# Allegro board S071AA-0413-20260427.brd (continued)
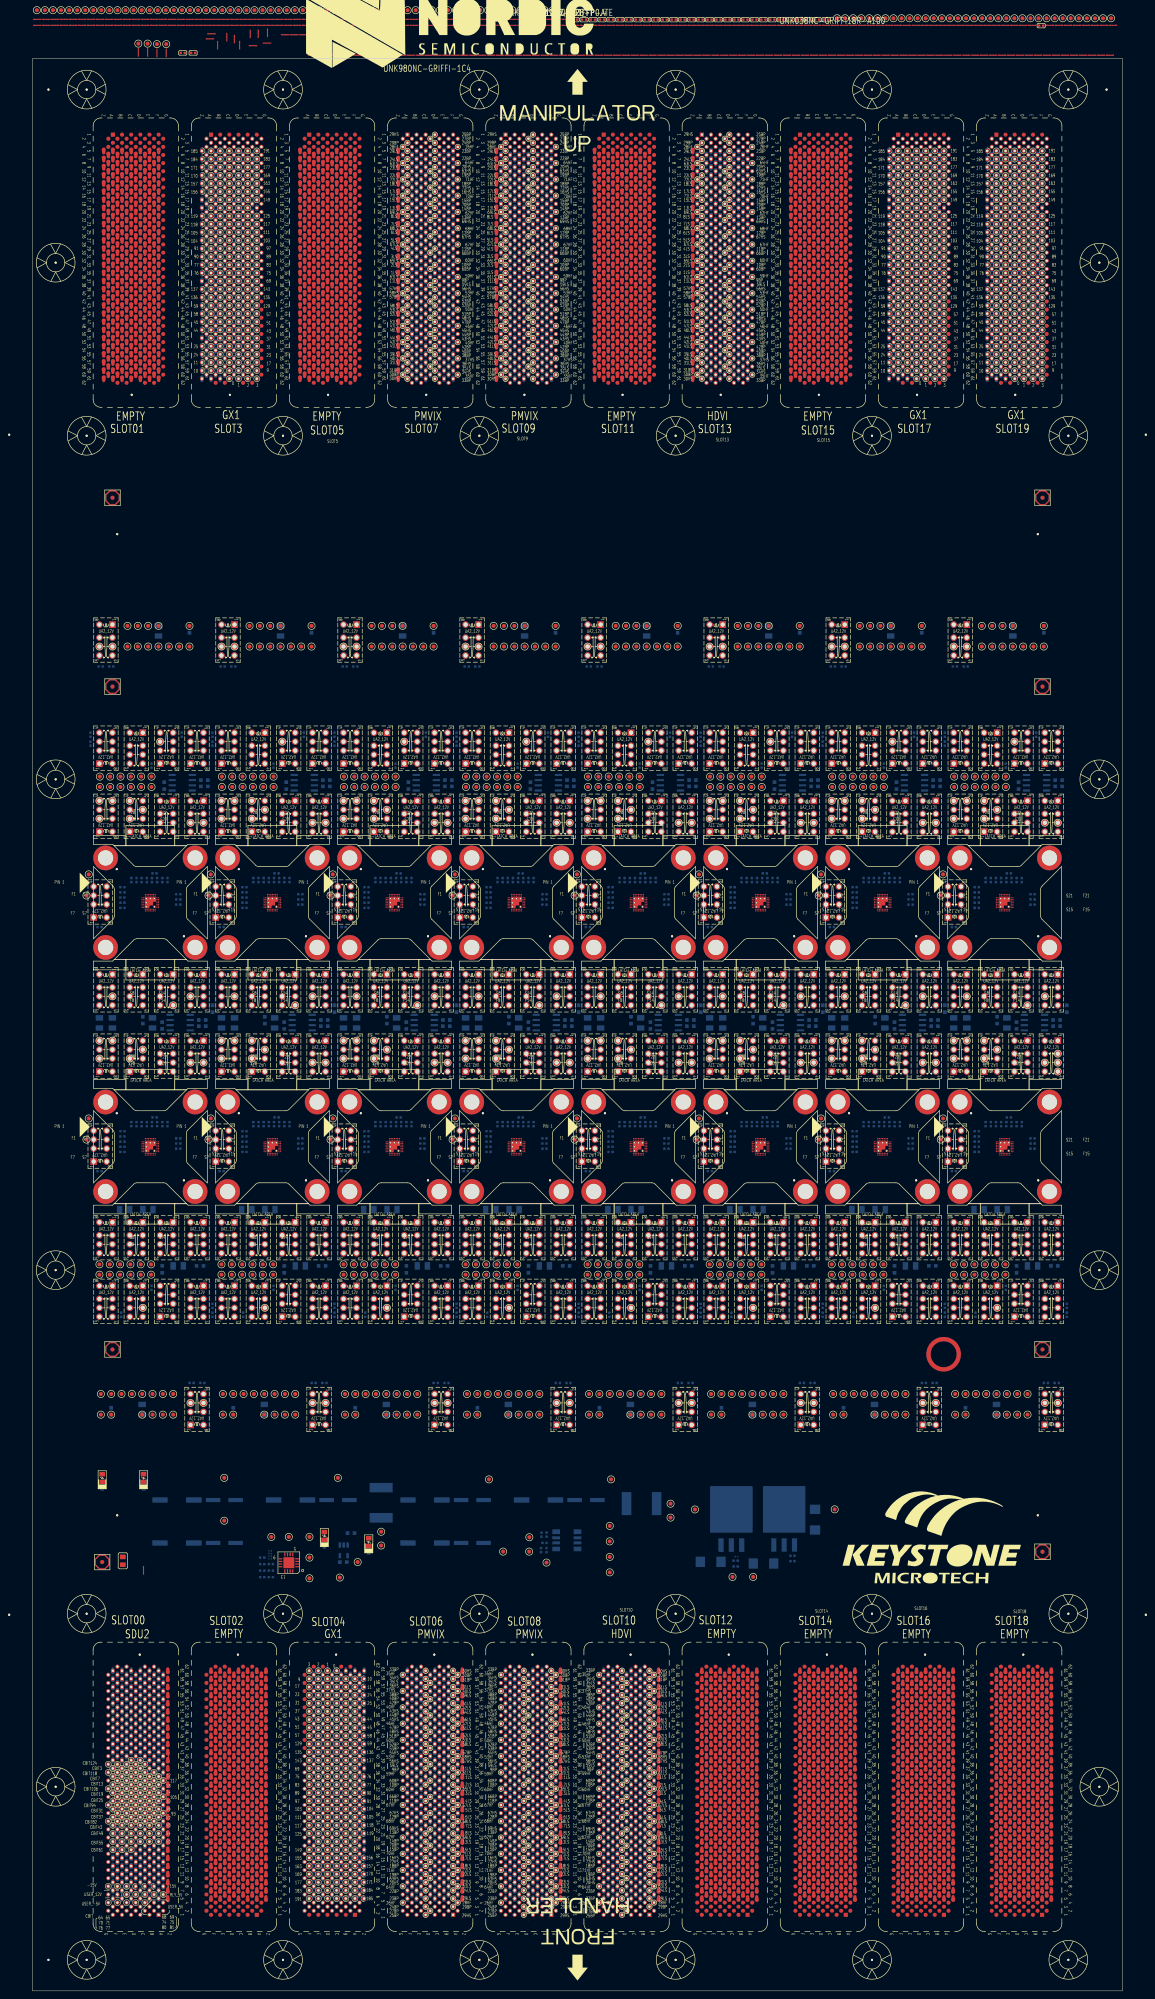
[diagram p0: board, top side]
## Placement (name value [footprint] x y rotation side) (continued)
NOREF#1849  -  []  177.17 105.04 0 top
NOREF#1850  -  []  49.52 17.15 90 top
NOREF#1851  -  []  190.78 112.83 90 top
NOREF#1852  -  []  237.13 165.7 90 top
NOREF#1853  -  []  48.48 310.08 0 top
NOREF#1854  -  []  224.98 281.49 90 top
NOREF#1855  -  []  235.97 164.05 90 top
NOREF#1856  -  []  252.06 244.47 90 top
NOREF#1857  -  []  154.59 289.34 90 top
NOREF#1858  -  []  71.82 117.35 90 top
NOREF#1859  -  []  209.32 268.11 315 top
NOREF#1860  -  []  91.01 206.69 90 top
NOREF#1861  -  []  31.4 249.87 0 top
NOREF#1862  -  []  89.39 209.51 0 top
NOREF#1863  -  []  168.36 179.68 90 top
NOREF#1864  -  []  91.47 115.65 90 top
NOREF#1865  -  []  177.13 242.27 90 top
NOREF#1866  -  []  43.91 396.29 0 top
NOREF#1867  -  []  61.4 307.08 90 top
NOREF#1868  -  []  98.86 144.52 90 top
NOREF#1869  -  []  177.13 170.1 90 top
NOREF#1870  -  []  222.06 183.53 90 top
NOREF#1871  -  []  117.13 244.47 90 top
NOREF#1872  -  []  133.01 240.57 90 top
NOREF#1873  -  []  240.18 205.86 90 top
NOREF#1874  -  []  71.02 174.1 0 top
NOREF#1875  -  []  243.41 189.73 0 top
NOREF#1876  -  []  205.94 250.67 0 top
NOREF#1877  -  []  177.13 244.47 90 top
NOREF#1878  -  []  29.32 268.11 315 top
NOREF#1879  -  []  109.67 185.73 90 top
NOREF#1880  -  []  164.98 283.99 0 top
NOREF#1881  -  []  214.59 183.53 90 top
NOREF#1882  -  []  78.48 174.1 0 top
NOREF#1883  -  []  121.01 266.29 90 top
NOREF#1884  -  []  117.36 268.69 0 top
NOREF#1885  -  []  105.06 263.86 90 top
NOREF#1886  -  []  237.13 185.73 90 top
NOREF#1887  -  []  151.39 304.88 90 top
NOREF#1888  -  []  162.06 230.38 90 top
NOREF#1889  -  []  83.93 188.93 0 top
NOREF#1890  -  []  139.94 300.88 0 top
NOREF#1891  -  []  244.59 230.38 90 top
NOREF#1892  -  []  44.99 253.49 90 top
NOREF#1893  -  []  188.69 456.29 0 top
NOREF#1894  -  []  170.73 215.74 0 top
NOREF#1895  -  []  222.06 167.9 90 top
NOREF#1896  -  []  16.47 304.88 90 top
NOREF#1897  -  []  222.06 165.7 90 top
NOREF#1898  -  []  75.06 209.26 90 top
NOREF#1899  -  []  139.67 167.9 90 top
NOREF#1900  -  []  79.94 164.9 0 top
NOREF#1901  -  []  75.92 300.88 90 top
NOREF#1902  -  []  27.13 306.08 90 top
NOREF#1903  -  []  142.98 286.49 0 top
NOREF#1904  -  []  247.55 203.78 0 top
NOREF#1905  -  []  33.97 14.59 90 top
NOREF#1906  -  []  19.67 165.7 90 top
NOREF#1907  -  []  128.86 139.12 0 top
NOREF#1908  -  []  188.86 173.3 0 top
NOREF#1909  -  []  105.06 267.06 90 top
NOREF#1910  -  []  38.39 253.49 45 top
NOREF#1911  -  []  117.64 208.84 0 top
NOREF#1912  -  []  162.06 287.14 90 top
NOREF#1913  -  []  160.89 283.29 90 top
NOREF#1914  -  []  93.41 234.38 0 top
NOREF#1915  -  []  205.88 237.76 90 top
NOREF#1916  -  []  130.9 239.1 90 top
NOREF#1917  -  []  43.91 456.29 90 top
NOREF#1918  -  []  154.31 14.59 90 top
NOREF#1919  -  []  157.55 203.78 0 top
NOREF#1920  -  []  112.99 286.49 0 top
NOREF#1921  -  []  195.92 225.18 90 top
NOREF#1922  -  []  183.41 174.1 0 top
NOREF#1923  -  []  55.15 18.69 90 top
NOREF#1924  -  []  252.06 183.53 90 top
NOREF#1925  -  []  87.79 269.51 0 top
NOREF#1926  -  []  242.56 17.15 0 top
NOREF#1927  -  []  98.86 233.58 0 top
NOREF#1928  -  []  225.06 263.86 90 top
NOREF#1929  -  []  252.06 284.94 90 top
NOREF#1930  -  []  205.7 258.99 90 top
NOREF#1931  -  []  90.18 205.47 90 top
NOREF#1932  -  []  188.86 142.32 90 top
NOREF#1933  -  []  228.48 250.67 0 top
NOREF#1934  -  []  3.61 203.06 0 top
NOREF#1935  -  []  205.7 198.99 90 top
NOREF#1936  -  []  175.97 179.68 90 top
NOREF#1937  -  []  248.86 292.54 0 top
NOREF#1938  -  []  104.99 283.99 0 top
NOREF#1939  -  []  218.43 17.15 90 top
NOREF#1940  -  []  203.93 188.93 0 top
NOREF#1941  -  []  178.65 206.87 45 top
NOREF#1942  -  []  195.06 207.06 90 top
NOREF#1943  -  []  241.39 168.9 90 top
NOREF#1944  -  []  58.35 207.84 45 top
NOREF#1945  -  []  208.35 207.84 315 top
NOREF#1946  -  []  158.86 139.12 0 top
NOREF#1947  -  []  106.47 173.3 0 top
NOREF#1948  -  []  200.73 215.74 0 top
NOREF#1949  -  []  44.99 221.49 90 top
NOREF#1950  -  []  168.36 240.62 90 top
NOREF#1951  -  []  232.1 458.49 0 top
NOREF#1952  -  []  132.06 228.18 90 top
NOREF#1953  -  []  192.06 228.18 90 top
NOREF#1954  -  []  116.3 456.29 0 top
NOREF#1955  -  []  112.99 226.49 0 top
NOREF#1956  -  []  16.47 249.87 0 top
NOREF#1957  -  []  146.03 119.76 0 top
NOREF#1958  -  []  207.41 300.88 0 top
NOREF#1959  -  []  248.86 307.08 90 top
NOREF#1960  -  []  30 300.03 0 top
NOREF#1961  -  []  113.38 284.14 90 top
NOREF#1962  -  []  60.34 266.14 90 top
NOREF#1963  -  []  93.41 174.1 0 top
NOREF#1964  -  []  142.98 248.49 90 top
NOREF#1965  -  []  121.39 301.68 0 top
NOREF#1966  -  []  42.61 234.38 0 top
NOREF#1967  -  []  211.01 206.29 90 top
NOREF#1968  -  []  202.98 248.49 0 top
NOREF#1969  -  []  59.32 208.11 315 top
NOREF#1970  -  []  34.6 242.27 90 top
NOREF#1971  -  []  46.47 229.18 90 top
NOREF#1972  -  []  226.47 301.68 90 top
NOREF#1973  -  []  180.18 265.86 90 top
NOREF#1974  -  []  87.13 185.73 90 top
NOREF#1975  -  []  119.29 267.51 45 top
NOREF#1976  -  []  169.67 170.1 90 top
NOREF#1977  -  []  94.22 105.11 0 top
NOREF#1978  -  []  194.51 263.06 90 top
NOREF#1979  -  []  184.59 181.33 90 top
NOREF#1980  -  []  118.35 267.84 315 top
NOREF#1981  -  []  252.06 246.67 90 top
NOREF#1982  -  []  154.59 183.53 90 top
NOREF#1983  -  []  87.13 244.47 90 top
NOREF#1984  -  []  173.66 106.41 90 top
NOREF#1985  -  []  188.86 292.54 0 top
NOREF#1986  -  []  239.38 269.51 0 top
NOREF#1987  -  []  17.99 278.49 0 top
NOREF#1988  -  []  91.4 165.7 90 top
NOREF#1989  -  []  171.17 82.65 0 top
NOREF#1990  -  []  63.41 174.1 0 top
NOREF#1991  -  []  93.41 250.67 0 top
NOREF#1992  -  []  60.19 265.86 90 top
NOREF#1993  -  []  57.64 208.84 0 top
NOREF#1994  -  []  80.48 210.77 0 top
NOREF#1995  -  []  233.93 225.98 90 top
NOREF#1996  -  []  105.06 203.86 90 top
NOREF#1997  -  []  131.02 336.66 0 top
NOREF#1998  -  []  55.97 179.68 90 top
NOREF#1999  -  []  45.06 209.26 90 top
NOREF#2000  -  []  38.86 139.12 0 top
NOREF#2001  -  []  74.99 283.99 0 top
NOREF#2002  -  []  37.24 199.24 90 top
NOREF#2003  -  []  93.41 293.34 0 top
NOREF#2004  -  []  86.96 268.69 0 top
NOREF#2005  -  []  109.67 330.46 90 top
NOREF#2006  -  []  132.06 242.27 90 top
NOREF#2007  -  []  121.39 304.88 90 top
NOREF#2008  -  []  153.43 164.05 90 top
NOREF#2009  -  []  16.47 288.14 90 top
NOREF#2010  -  []  35.02 300.88 0 top
NOREF#2011  -  []  118.65 266.87 45 top
NOREF#2012  -  []  79.29 454.29 90 top
NOREF#2013  -  []  241.39 165.7 90 top
NOREF#2014  -  []  113.38 225.18 90 top
NOREF#2015  -  []  102.06 289.34 90 top
NOREF#2016  -  []  244.59 242.27 90 top
NOREF#2017  -  []  224.51 203.06 90 top
NOREF#2018  -  []  252.06 242.27 90 top
NOREF#2019  -  []  35.02 225.18 0 top
NOREF#2020  -  []  207.41 138.32 0 top
NOREF#2021  -  []  151.16 295.41 90 top
NOREF#2022  -  []  98.86 249.87 0 top
NOREF#2023  -  []  250.89 224.33 90 top
NOREF#2024  -  []  181.39 304.88 90 top
NOREF#2025  -  []  87.64 268.84 0 top
NOREF#2026  -  []  98.39 253.49 45 top
NOREF#2027  -  []  169.19 392.33 90 top
NOREF#2028  -  []  45.06 203.86 0 top
NOREF#2029  -  []  207.95 83.81 0 top
NOREF#2030  -  []  166.47 225.98 0 top
NOREF#2031  -  []  121.16 295.41 90 top
NOREF#2032  -  []  113.93 284.94 90 top
NOREF#2033  -  []  169.67 185.73 90 top
NOREF#2034  -  []  53.93 309.28 0 top
NOREF#2035  -  []  72.06 225.98 90 top
NOREF#2036  -  []  72.34 120.65 0 top
NOREF#2037  -  []  92.17 456.29 0 top
NOREF#2038  -  []  68.86 188.93 0 top
NOREF#2039  -  []  207.78 209.51 0 top
NOREF#2040  -  []  157.23 199.24 90 top
NOREF#2041  -  []  118.35 267.84 45 top
NOREF#2042  -  []  147.63 208.84 0 top
NOREF#2043  -  []  128.73 112.84 0 top
NOREF#2044  -  []  183.43 240.62 90 top
NOREF#2045  -  []  155.02 284.14 0 top
NOREF#2046  -  []  158.86 301.68 0 top
NOREF#2047  -  []  90.34 206.14 90 top
NOREF#2048  -  []  194.98 190.99 90 top
NOREF#2049  -  []  224.98 221.49 90 top
NOREF#2050  -  []  166.47 188.93 0 top
NOREF#2051  -  []  104.99 250.99 90 top
NOREF#2052  -  []  34.6 185.73 90 top
NOREF#2053  -  []  162.06 284.94 90 top
NOREF#2054  -  []  213.41 250.67 0 top
NOREF#2055  -  []  20.74 215.74 0 top
NOREF#2056  -  []  94.59 230.38 90 top
NOREF#2057  -  []  127.23 199.24 90 top
NOREF#2058  -  []  64.59 225.98 90 top
NOREF#2059  -  []  34.6 284.94 90 top
NOREF#2060  -  []  237.13 183.53 90 top
NOREF#2061  -  []  21.68 225.18 0 top
NOREF#2062  -  []  102.06 225.98 90 top
NOREF#2063  -  []  190.78 112.83 0 top
NOREF#2064  -  []  76.47 304.88 90 top
NOREF#2065  -  []  188.39 193.49 45 top
NOREF#2066  -  []  183.41 234.38 0 top
NOREF#2067  -  []  146.04 17.15 90 top
NOREF#2068  -  []  128.86 301.68 0 top
NOREF#2069  -  []  41.4 297.17 90 top
NOREF#2070  -  []  183.61 203.06 0 top
NOREF#2071  -  []  79.67 170.1 90 top
NOREF#2072  -  []  211.01 266.29 90 top
NOREF#2073  -  []  22.53 283.29 90 top
NOREF#2074  -  []  165.92 284.14 90 top
NOREF#2075  -  []  237.41 138.32 0 top
NOREF#2076  -  []  169.67 330.46 90 top
NOREF#2077  -  []  137.21 143.34 90 top
NOREF#2078  -  []  16.47 225.98 90 top
NOREF#2079  -  []  233.38 284.14 90 top
NOREF#2080  -  []  235.88 237.76 90 top
NOREF#2081  -  []  55.95 234.38 0 top
NOREF#2082  -  []  22.99 188.49 0 top
NOREF#2083  -  []  44.99 281.49 90 top
NOREF#2084  -  []  124.59 242.27 90 top
NOREF#2085  -  []  98.86 307.08 90 top
NOREF#2086  -  []  49.67 330.46 90 top
NOREF#2087  -  []  146.96 208.69 0 top
NOREF#2088  -  []  160.89 224.33 90 top
NOREF#2089  -  []  226.47 290.34 90 top
NOREF#2090  -  []  57.41 300.88 0 top
NOREF#2091  -  []  120.18 265.47 90 top
NOREF#2092  -  []  49.67 244.47 90 top
NOREF#2093  -  []  116.3 456.29 90 top
NOREF#2094  -  []  75.06 269.26 90 top
NOREF#2095  -  []  218.86 173.3 0 top
NOREF#2096  -  []  172.98 188.49 90 top
NOREF#2097  -  []  58.65 206.87 45 top
NOREF#2098  -  []  154.59 185.73 90 top
NOREF#2099  -  []  154.64 389.27 90 top
NOREF#2100  -  []  164.98 193.49 90 top
NOREF#2101  -  []  226.47 335.86 0 top
NOREF#2102  -  []  169.67 242.27 90 top
NOREF#2103  -  []  134.98 190.99 90 top
NOREF#2104  -  []  117.13 303.88 90 top
NOREF#2105  -  []  154.59 230.38 90 top
NOREF#2106  -  []  46.47 288.14 90 top
NOREF#2107  -  []  158.31 300.88 90 top
NOREF#2108  -  []  132.06 225.98 90 top
NOREF#2109  -  []  15.06 267.06 90 top
NOREF#2110  -  []  232.98 188.49 0 top
NOREF#2111  -  []  98.31 138.32 90 top
NOREF#2112  -  []  224.98 190.99 90 top
NOREF#2113  -  []  88.35 267.84 315 top
NOREF#2114  -  []  49.67 185.73 90 top
NOREF#2115  -  []  138.36 224.33 90 top
NOREF#2116  -  []  63.61 263.06 0 top
NOREF#2117  -  []  14.99 193.49 90 top
NOREF#2118  -  []  14.99 281.49 90 top
NOREF#2119  -  []  100.89 224.33 90 top
NOREF#2120  -  []  33.26 115.65 0 top
NOREF#2121  -  []  106.38 389.27 90 top
NOREF#2122  -  []  125.02 284.14 0 top
NOREF#2123  -  []  237.13 301.68 90 top
NOREF#2124  -  []  92.17 456.29 90 top
NOREF#2125  -  []  128.86 144.52 90 top
NOREF#2126  -  []  135.06 209.26 90 top
NOREF#2127  -  []  145.97 164.05 90 top
NOREF#2128  -  []  27.79 269.51 0 top
NOREF#2129  -  []  153.41 250.67 0 top
NOREF#2130  -  []  63.18 16.49 0 top
NOREF#2131  -  []  150.84 164.9 90 top
NOREF#2132  -  []  229.67 181.33 90 top
NOREF#2133  -  []  192.06 244.47 90 top
NOREF#2134  -  []  193.32 392.33 90 top
NOREF#2135  -  []  28.35 207.84 315 top
NOREF#2136  -  []  229.67 330.46 90 top
NOREF#2137  -  []  124.59 185.73 90 top
NOREF#2138  -  []  228.48 310.08 0 top
NOREF#2139  -  []  94.22 115.65 0 top
NOREF#2140  -  []  251.4 296.54 90 top
NOREF#2141  -  []  154.59 244.47 90 top
NOREF#2142  -  []  187.55 203.78 0 top
NOREF#2143  -  []  205.94 189.73 0 top
NOREF#2144  -  []  36.61 138.32 0 top
NOREF#2145  -  []  183.43 300.03 90 top
NOREF#2146  -  []  57.82 105.89 0 top
NOREF#2147  -  []  30 251.52 0 top
NOREF#2148  -  []  79.67 246.67 90 top
NOREF#2149  -  []  135.15 107.82 90 top
NOREF#2150  -  []  194.98 193.49 90 top
NOREF#2151  -  []  97.78 17.2 90 top
NOREF#2152  -  []  78.36 283.29 90 top
NOREF#2153  -  []  140.43 456.29 90 top
NOREF#2154  -  []  34.6 244.47 90 top
NOREF#2155  -  []  158.86 188.93 0 top
NOREF#2156  -  []  148.37 207.15 315 top
NOREF#2157  -  []  109.67 181.33 90 top
NOREF#2158  -  []  207.63 208.84 0 top
NOREF#2159  -  []  143.93 309.28 0 top
NOREF#2160  -  []  16.47 335.86 0 top
NOREF#2161  -  []  237.78 209.51 0 top
NOREF#2162  -  []  4.17 164.05 90 top
NOREF#2163  -  []  38.86 301.68 0 top
NOREF#2164  -  []  169.67 332.66 90 top
NOREF#2165  -  []  88.65 266.87 45 top
NOREF#2166  -  []  228.36 224.33 90 top
NOREF#2167  -  []  143.93 249.87 0 top
NOREF#2168  -  []  181.39 292.54 0 top
NOREF#2169  -  []  43.88 106.81 0 top
NOREF#2170  -  []  38.86 301.68 90 top
NOREF#2171  -  []  218.31 138.32 90 top
NOREF#2172  -  []  87.13 242.27 90 top
NOREF#2173  -  []  237.63 208.84 0 top
NOREF#2174  -  []  145.97 326.61 90 top
NOREF#2175  -  []  143.93 225.98 0 top
NOREF#2176  -  []  132.06 230.38 90 top
NOREF#2177  -  []  225.92 284.14 90 top
NOREF#2178  -  []  117.13 167.9 90 top
NOREF#2179  -  []  232.98 286.49 0 top
NOREF#2180  -  []  127.54 18.69 90 top
NOREF#2181  -  []  14.99 253.49 90 top
NOREF#2182  -  []  131.02 174.1 0 top
NOREF#2183  -  []  131.02 250.67 0 top
NOREF#2184  -  []  203.93 288.14 90 top
NOREF#2185  -  []  200.48 270.77 0 top
NOREF#2186  -  []  110.48 210.77 0 top
NOREF#2187  -  []  53.93 249.87 0 top
NOREF#2188  -  []  70.89 179.68 90 top
NOREF#2189  -  []  147.41 300.88 0 top
NOREF#2190  -  []  89.32 208.11 315 top
NOREF#2191  -  []  181.39 165.7 90 top
NOREF#2192  -  []  188.86 307.08 90 top
NOREF#2193  -  []  202.56 389.27 90 top
NOREF#2194  -  []  167.21 143.34 90 top
NOREF#2195  -  []  75.56 104.96 90 top
NOREF#2196  -  []  113.93 290.34 90 top
NOREF#2197  -  []  176.71 106.64 0 top
NOREF#2198  -  []  215.02 225.18 0 top
NOREF#2199  -  []  52.99 188.49 90 top
NOREF#2200  -  []  79.67 165.7 90 top
NOREF#2201  -  []  151.39 301.68 90 top
NOREF#2202  -  []  225.92 300.88 90 top
NOREF#2203  -  []  123.43 164.05 90 top
NOREF#2204  -  []  53.93 284.94 0 top
NOREF#2205  -  []  83.93 225.98 0 top
NPM1212-GRIFFI  REF-CODE-CHIP  [CHIP_CODE]  129.78 486.39 0 top
NPM1212-QFN28-P0.4  REF-CODE-CHIP  [CHIP_CODE]  130.39 486.39 0 top
R7  20K-1-S2  [R0201]  58.42 108.17 0 bottom
R8  20K-1-S2  [R0201]  58.42 107.52 0 bottom
R9  20K-1-S2  [R0201]  58.42 106.22 0 bottom
R10  20K-1-S2  [R0201]  58.42 106.87 0 bottom
R21  10K-1-S4  [R0402]  126.36 108.34 90 bottom
R22  0-1-S4-YA  [R0402]  125.14 112.15 270 bottom
R23  0-1-S4-YA  [R0402]  125.01 108.34 270 bottom
R24  0-1-S4-YA  [R0402]  125.86 110.11 180 bottom
R376  118-1-S2-YA  [R0201]  173.06 106.73 0 bottom
R378  365-1-S4  [R0402]  186.82 105.63 180 bottom
R381  750-1-S4  [R0402]  172.86 105.74 180 bottom
R382  75-1-S4  [R0402]  172.86 104.32 0 bottom
R383  121-1-S4  [R0402]  186.82 106.94 0 bottom
REG1_P3V3  TP01  [TP_040_T]  75.57 101.6 0 top
REG1_P_5V  TP01  [TP_040_T]  197.21 118.36 0 top
REG1_P_10V  TP01  [TP_040_T]  162.85 118.34 0 top
RLY_5V1  LDG-2-S8  [LED_0805]  27.31 126.05 90 top
SDUP5V1  TP01  [TP_040_T]  85.73 112.86 270 top
SDUP15V1  TP01  [TP_040_T]  156.86 119.76 0 top
SITE1  NPM1212-QFN28-P0.4  [SK_QFN4X4_56P_0P4MM_GRIFFI]  28.99 267.49 0 top
SITE2  NPM1212-QFN28-P0.4  [SK_QFN4X4_56P_0P4MM_GRIFFI]  28.99 207.49 0 top
SITE3  NPM1212-QFN28-P0.4  [SK_QFN4X4_56P_0P4MM_GRIFFI]  58.99 267.49 0 top
SITE4  NPM1212-QFN28-P0.4  [SK_QFN4X4_56P_0P4MM_GRIFFI]  58.99 207.49 0 top
SITE5  NPM1212-QFN28-P0.4  [SK_QFN4X4_56P_0P4MM_GRIFFI]  88.99 267.49 0 top
SITE6  NPM1212-QFN28-P0.4  [SK_QFN4X4_56P_0P4MM_GRIFFI]  88.99 207.49 0 top
SITE7  NPM1212-QFN28-P0.4  [SK_QFN4X4_56P_0P4MM_GRIFFI]  118.99 267.49 0 top
SITE8  NPM1212-QFN28-P0.4  [SK_QFN4X4_56P_0P4MM_GRIFFI]  118.99 207.49 0 top
SITE9  NPM1212-QFN28-P0.4  [SK_QFN4X4_56P_0P4MM_GRIFFI]  148.98 267.49 0 top
SITE10  NPM1212-QFN28-P0.4  [SK_QFN4X4_56P_0P4MM_GRIFFI]  148.98 207.49 0 top
SITE11  NPM1212-QFN28-P0.4  [SK_QFN4X4_56P_0P4MM_GRIFFI]  178.98 267.49 0 top
SITE12  NPM1212-QFN28-P0.4  [SK_QFN4X4_56P_0P4MM_GRIFFI]  178.98 207.49 0 top
SITE13  NPM1212-QFN28-P0.4  [SK_QFN4X4_56P_0P4MM_GRIFFI]  208.98 267.49 0 top
SITE14  NPM1212-QFN28-P0.4  [SK_QFN4X4_56P_0P4MM_GRIFFI]  208.98 207.49 0 top
SITE15  NPM1212-QFN28-P0.4  [SK_QFN4X4_56P_0P4MM_GRIFFI]  238.98 267.49 0 top
SITE16  NPM1212-QFN28-P0.4  [SK_QFN4X4_56P_0P4MM_GRIFFI]  238.98 207.49 0 top
SLOT0  DIAMONDX_SLOT0_SDU2  [PG_LTXDX_F_X1_SDU2_SL00_V3]  133.99 237.49 0 top
SLOT1  DIAMONDX_X1_DUT  [PG_LTXDX_F_X1_PG400ND_SL01_V3]  133.99 237.49 0 top
SLOT2  DIAMONDX_X1_DUT  [PG_LTXDX_F_X1_PG400ND_SL02_V3]  133.99 237.49 0 top
SLOT3  DIAMONDX_SLOT3_GX1X  [PG_LTXDX_F_X1_GX1X_SL03_V2]  133.99 237.49 0 top
SLOT4  DIAMONDX_SLOT4_GX1X  [PG_LTXDX_F_X1_GX1X_SL04]  133.99 237.49 0 top
SLOT5  DIAMONDX_X1_DUT  [PG_LTXDX_F_X1_PG400ND_SL05_V3]  133.99 237.49 0 top
SLOT6  DIAMONDX_SLOT6_PMVIX  [PG_LTXDX_F_X1_PMVIX_SL06]  133.99 237.49 0 top
SLOT7  DIAMONDX_SLOT7_PMVIX  [PG_LTXDX_F_X1_PMVIX_SL07]  133.99 237.49 0 top
SLOT8  DIAMONDX_SLOT8_PMVIX  [PG_LTXDX_F_X1_PMVIX_SL08]  133.99 237.49 0 top
SLOT9  DIAMONDX_SLOT9_PMVIX  [PG_LTXDX_F_X1_PMVIX_SL09]  133.99 237.49 0 top
SLOT10  DIAMONDX_SLOT10_HDVI  [PG_LTXDX_F_X1_HDVI_SL10_V3]  133.99 237.49 0 top
SLOT11  DIAMONDX_X1_DUT  [PG_LTXDX_F_X1_PG400ND_SL11_V3]  133.99 237.49 0 top
SLOT12  DIAMONDX_X1_DUT  [PG_LTXDX_F_X1_PG400ND_SL12_V3]  133.99 237.49 0 top
SLOT13  DIAMONDX_SLOT13_HDVI  [PG_LTXDX_F_X1_HDVI_SL13_V3]  133.99 237.49 0 top
SLOT14  DIAMONDX_X1_DUT  [PG_LTXDX_F_X1_PG400ND_SL14_V3]  133.99 237.49 0 top
SLOT15  DIAMONDX_X1_DUT  [PG_LTXDX_F_X1_PG400ND_SL15_V3]  133.99 237.49 0 top
SLOT16  DIAMONDX_X1_DUT  [PG_LTXDX_F_X1_PG400ND_SL16_V3]  133.99 237.49 0 top
SLOT17  DIAMONDX_SLOT17_GX1X  [PG_LTXDX_F_X1_GX1_SL17_V2]  133.99 237.49 0 top
SLOT18  DIAMONDX_X1_DUT  [PG_LTXDX_F_X1_PG400ND_SL18_V3]  133.99 237.49 0 top
SLOT19  DIAMONDX_SLOT19_GX1X  [PG_LTXDX_F_X1_GX1_SL19_V2]  133.99 237.49 0 top
T_+15V  TP01  [TP_040_T]  142.22 125.73 0 top
T_-15V  TP01  [TP_040_T]  47.14 115.57 0 top
T_RLY_5V  TP01  [TP_040_T]  47.14 126.11 0 top
T_USER_5V  TP01  [TP_040_T]  75.08 126.11 0 top
T_USER_12V  TP01  [TP_040_T]  112.22 125.73 0 top
T_USER_-5V  TP01  [TP_040_T]  115.7 107.98 0 top
TP_EEP_GND  TP01  [TP_040_T]  141.91 106.68 0 top
TP_EPP_SCLK  TP01  [TP_040_T]  122.15 111.51 0 top
TP_EPP_SCLK_DGND1  TP01  [TP_040_T]  141.91 110.49 0 top
TP_EPP_SDA  TP01  [TP_040_T]  122.1 107.98 0 top
TP_EPP_SDA_DGND1  TP01  [TP_040_T]  141.91 102.87 0 top
TP_EPP_VCC  TP01  [TP_040_T]  126.37 105.28 0 top
TP_EPP_VCC_DGND1  TP01  [TP_040_T]  141.91 114.3 0 top
TP_REG1_P3V3  TP01  [TP_040_T]  79.94 105.41 0 top
TP_REG1_P_5V_DGND  TP01  [TP_040_T]  177.17 101.75 0 top
TP_REG1_P_10V_DGND  TP01  [TP_040_T]  172.09 101.75 0 top
TP_SDUP5V1  TP01  [TP_040_T]  85.73 109.47 270 top
TP_SDUP15V1  TP01  [TP_040_T]  156.86 116.33 0 top
TP_USER_GND1  TP01  [TP_040_T]  63.02 111.58 90 top
TP_USER_SCLK1  TP01  [TP_040_T]  68.1 101.42 0 top
TP_USER_SCLK1_DGND1  TP01  [TP_040_T]  68.1 106.5 0 top
TP_USER_SDA1  TP01  [TP_040_T]  58.72 111.58 0 top
TP_USER_SDA1_DGND1  TP01  [TP_040_T]  68.1 111.58 0 top
U4  ADT7420UCPZ-LFCSP16  [LFCSP16_0P65MM_G]  63.02 105.23 180 top
U6  AT24C512C-SSHM-T-SOIC8  [SO8_206X127MM]  131.34 110.74 180 bottom
U44  ADP151AUJZ-0.2A-33-TSOT23-5  [TSOT23-5]  76.51 108.28 180 bottom
U46  LM1086-1.5A-A-TO263-1  [TO263_3]  171.81 115.93 180 bottom
U47  LM1086-1.5A-A-TO263-1  [TO263_3]  184.79 115.95 180 bottom
UNK0BS1  SHORT  [DEFAULT_SHORT_SMALL]  33.48 57.25 90 top
UNK0BS2  SHORT  [DEFAULT_SHORT_SMALL]  27.31 103.38 270 top
UNK1C1  1U-6.3-X7R-S6-MU  [C0603]  38.61 334.69 270 bottom
UNK1C2  2.2U-25-X8R-SA-TDK  [C1206]  29.52 237.92 90 bottom
UNK1C3  10U-6.3-X7R-S6-SS  [C0603]  27.13 238.61 270 bottom
UNK1C4  2.2U-25-X8R-SA-TDK  [C1206]  19.67 237.92 90 bottom
UNK1C5  2.2U-25-X8R-SA-TDK  [C1206]  16.47 237.92 270 bottom
UNK1C6  4.7U-6.3-X-S6  [C0603]  44.26 241.42 270 bottom
UNK1C7  0.1U-25-X7R-S6-YA  [C0603]  42.25 297.61 0 bottom
UNK1C8  1U-50-X7R-S6-TY  [C0603]  42.25 296.09 0 bottom
UNK1C9  0.1U-25-X7R-S6-YA  [C0603]  32.41 296.26 270 bottom
UNK1C12  2.2U-25-X8R-SA-TDK  [C1206]  30.99 334.29 270 bottom
UNK1CS1  CNC-S4  [C0402]  22.12 271.3 180 bottom
UNK1CS4  CNC-S4  [C0402]  22.12 267.49 0 bottom
UNK1CS5  CNC-S4  [C0402]  22.12 266.22 0 bottom
UNK1CS19  CNC-S4  [C0402]  35.85 267.02 0 bottom
UNK1CS20  CNC-S4  [C0402]  35.85 268.29 0 bottom
UNK1CS21  CNC-S4  [C0402]  35.85 269.56 0 bottom
UNK1CS22  CNC-S4  [C0402]  33.2 273.05 90 bottom
UNK1CS23  CNC-S4  [C0402]  31.93 273.05 90 bottom
UNK1CS25  CNC-S4  [C0402]  28.12 273.05 90 bottom
UNK1CS26  CNC-S4  [C0402]  26.85 273.05 270 bottom
UNK1CS27  CNC-S4  [C0402]  25.58 273.05 270 bottom
UNK1CS28  CNC-S4  [C0402]  24.31 273.05 90 bottom
UNK1K1  UA2-12NJ-V2  [RL_NECUA2_12V_V2]  33 246.27 90 bottom
UNK1K2  UA2-12NJ-V2  [RL_NECUA2_12V_V2]  25.53 246.27 90 bottom
UNK1K3  UA2-12NJ-V2  [RL_NECUA2_12V_V2]  16.66 267.46 270 bottom
UNK1K4  UA2-12NJ-V2  [RL_NECUA2_12V_V2]  33 305.28 270 bottom
UNK1K5  UA2-12NJ-V2  [RL_NECUA2_12V_V2]  40.46 305.28 270 bottom
UNK1K6  UA2-12NJ-V2  [RL_NECUA2_12V_V2]  25.53 305.68 90 bottom
UNK1K7  UA2-12NJ-V2  [RL_NECUA2_12V_V2]  18.07 305.28 270 bottom
UNK1K8  UA2-12NJ-V2  [RL_NECUA2_12V_V2]  18.07 246.27 90 bottom
UNK1K9  UA2-12NJ-V2  [RL_NECUA2_12V_V2]  18.07 332.26 90 bottom
UNK1K10  UA2-12NJ-V2  [RL_NECUA2_12V_V2]  33 288.94 90 bottom
UNK1K11  UA2-12NJ-V2  [RL_NECUA2_12V_V2]  40.46 246.27 90 bottom
UNK1K12  UA2-12NJ-V2  [RL_NECUA2_12V_V2]  40.46 288.94 90 bottom
UNK1K13  UA2-12NJ-V2  [RL_NECUA2_12V_V2]  18.07 288.54 270 bottom
UNK1K14  UA2-12NJ-V2  [RL_NECUA2_12V_V2]  25.53 288.54 270 bottom
UNK1R1  4.7K-1-S4-WA  [R0402]  16.51 261.49 180 bottom
UNK1R2  3.01K-0.1-S4-PAN  [R0402]  36.73 308.78 270 bottom
UNK1R3  10K-0.1-S4  [R0402]  29.26 301.18 270 bottom
UNK1R7  1K-1-S4  [R0402]  16.75 325.55 180 bottom
UNK1R8  1K-1-S4  [R0402]  19.39 325.55 0 bottom
UNK1R13  0-5-S4  [R0402]  36.96 476.38 0 top
UNK1R14  0-5-S4  [R0402]  39.5 476.38 0 top
UNK1R41  24K-0.1-S4  [R0402]  14.26 308.78 270 bottom
UNK1R42  44.2K-0.1-S4-PAN  [R0402]  14.26 306.58 270 bottom
UNK1RS1  0-5-S4  [R0402]  22.12 268.76 0 bottom
UNK1RS2  NC/0-5-S4  [R0402]  29.39 273.05 270 bottom
UNK1RS3  NC/0-5-S4  [R0402]  22.12 270.03 0 bottom
UNK1RS4  0-5-S4  [R0402]  30.66 273.05 270 bottom
UNK1RS5  0-5-S4  [R0402]  30.02 274.7 0 bottom
UNK1SH2  SHORT  [DEFAULT_SHORT_SMALL]  45.52 478.27 270 top
UNK1SH7  SHORT  [DEFAULT_SHORT_SMALL]  47.78 480.26 270 top
UNK1SH9  SHORT  [DEFAULT_SHORT_SMALL]  55.5 481.08 270 top
UNK1SH14  SHORT  [DEFAULT_SHORT_SMALL]  57.79 481.33 270 top
UNK1SH16  SHORT  [DEFAULT_SHORT_SMALL]  54.23 478.15 0 top
UNK1SH20  SHORT  [DEFAULT_SHORT_SMALL]  49.64 479.77 270 top
UNK1SH29  SHORT  [DEFAULT_SHORT_SMALL]  53.54 481.04 270 top
UNK1SH30  SHORT  [DEFAULT_SHORT_SMALL]  50.93 478.28 270 top
UNK1SH32  SHORT  [DEFAULT_SHORT_SMALL]  62.12 480.85 0 top
UNK1SH33  SHORT  [DEFAULT_SHORT_SMALL]  64.32 480.85 0 top
UNK1SH34  SHORT  [DEFAULT_SHORT_SMALL]  66.53 480.85 0 top
UNK1SH35  SHORT  [DEFAULT_SHORT_SMALL]  28.32 476.5 270 top
UNK1SH36  SHORT  [DEFAULT_SHORT_SMALL]  26.04 476.5 270 top
UNK1SH37  SHORT  [DEFAULT_SHORT_SMALL]  32.89 476.38 270 top
UNK1SH38  SHORT  [DEFAULT_SHORT_SMALL]  30.61 476.38 270 top
UNK1SH39  SHORT  [DEFAULT_SHORT_SMALL]  57.66 478.79 0 top
UNK1SH40  SHORT  [DEFAULT_SHORT_SMALL]  44.02 481.08 0 top
UNK1SH41  SHORT  [DEFAULT_SHORT_SMALL]  43.64 479.83 0 top
UNK1TP_AVSS2/TST  TP01  [TP_040_T]  13.84 274.45 0 top
UNK1TP_GPIO0  TP01  [TP_040_T]  16.57 295.94 90 top
UNK1TP_GPIO1  TP01  [TP_040_T]  16.57 298.48 270 top
UNK1TP_GPIO2  TP01  [TP_040_T]  29.27 295.94 0 top
UNK1TP_GPIO3  TP01  [TP_040_T]  29.27 298.48 270 top
UNK1TP_GPIO4  TP01  [TP_040_T]  26.73 295.94 270 top
UNK1TP_LED0  TP01  [TP_040_T]  24.19 298.48 270 top
UNK1TP_LED1  TP01  [TP_040_T]  24.19 295.94 90 top
UNK1TP_LED2  TP01  [TP_040_T]  26.73 298.48 270 top
UNK1TP_LSIN1_F  TP01  [TP_040_T]  30.99 330.46 0 top
UNK1TP_LSIN1_G  TP01  [TP_040_T]  28.32 478.66 0 top
UNK1TP_LSIN1_S  TP01  [TP_040_T]  28.45 330.46 0 top
UNK1TP_LSIN2/NCHGEN_F  TP01  [TP_040_T]  30.99 335.54 0 top
UNK1TP_LSIN2/NCHGEN_G  TP01  [TP_040_T]  32.89 478.54 0 top
UNK1TP_LSIN2/NCHGEN_S  TP01  [TP_040_T]  28.45 335.54 0 top
UNK1TP_LSOUT1_F  TP01  [TP_040_T]  19.67 244.47 180 top
UNK1TP_LSOUT1_G  TP01  [TP_040_T]  26.04 478.66 0 top
UNK1TP_LSOUT1_S  TP01  [TP_040_T]  21.65 298.48 270 top
UNK1TP_LSOUT2/SUSPEND1_G  TP01  [TP_040_T]  30.61 478.54 0 top
UNK1TP_LSOUT2/SUSPEND1_S  TP01  [TP_040_T]  21.65 295.94 0 top
UNK1TP_LSOUT2/SUSPEND_F  TP01  [TP_040_T]  38.86 244.47 180 top
UNK1TP_NCHG/ATB0_F  TP01  [TP_040_T]  23.93 292.54 0 top
UNK1TP_NCHG/ATB0_G  TP01  [TP_040_T]  23.93 288.14 0 top
UNK1TP_NCHG/ATB0_S  TP01  [TP_040_T]  27.13 290.34 0 top
UNK1TP_NPG/ATB1_F  TP01  [TP_040_T]  16.47 292.54 0 top
UNK1TP_NPG/ATB1_G  TP01  [TP_040_T]  16.47 288.14 0 top
UNK1TP_NPG/ATB1_S  TP01  [TP_040_T]  19.67 292.54 0 top
UNK1TP_NTC  TP01  [TP_040_T]  31.4 307.08 180 top
UNK1TP_REF_5V  TP01  [TP_040_T]  34.6 242.27 180 top
UNK1TP_SCL  TP01  [TP_040_T]  16.47 330.46 0 top
